# KiCad board Zx50 Bus Probe_RevA.kicad_pcb (continued)
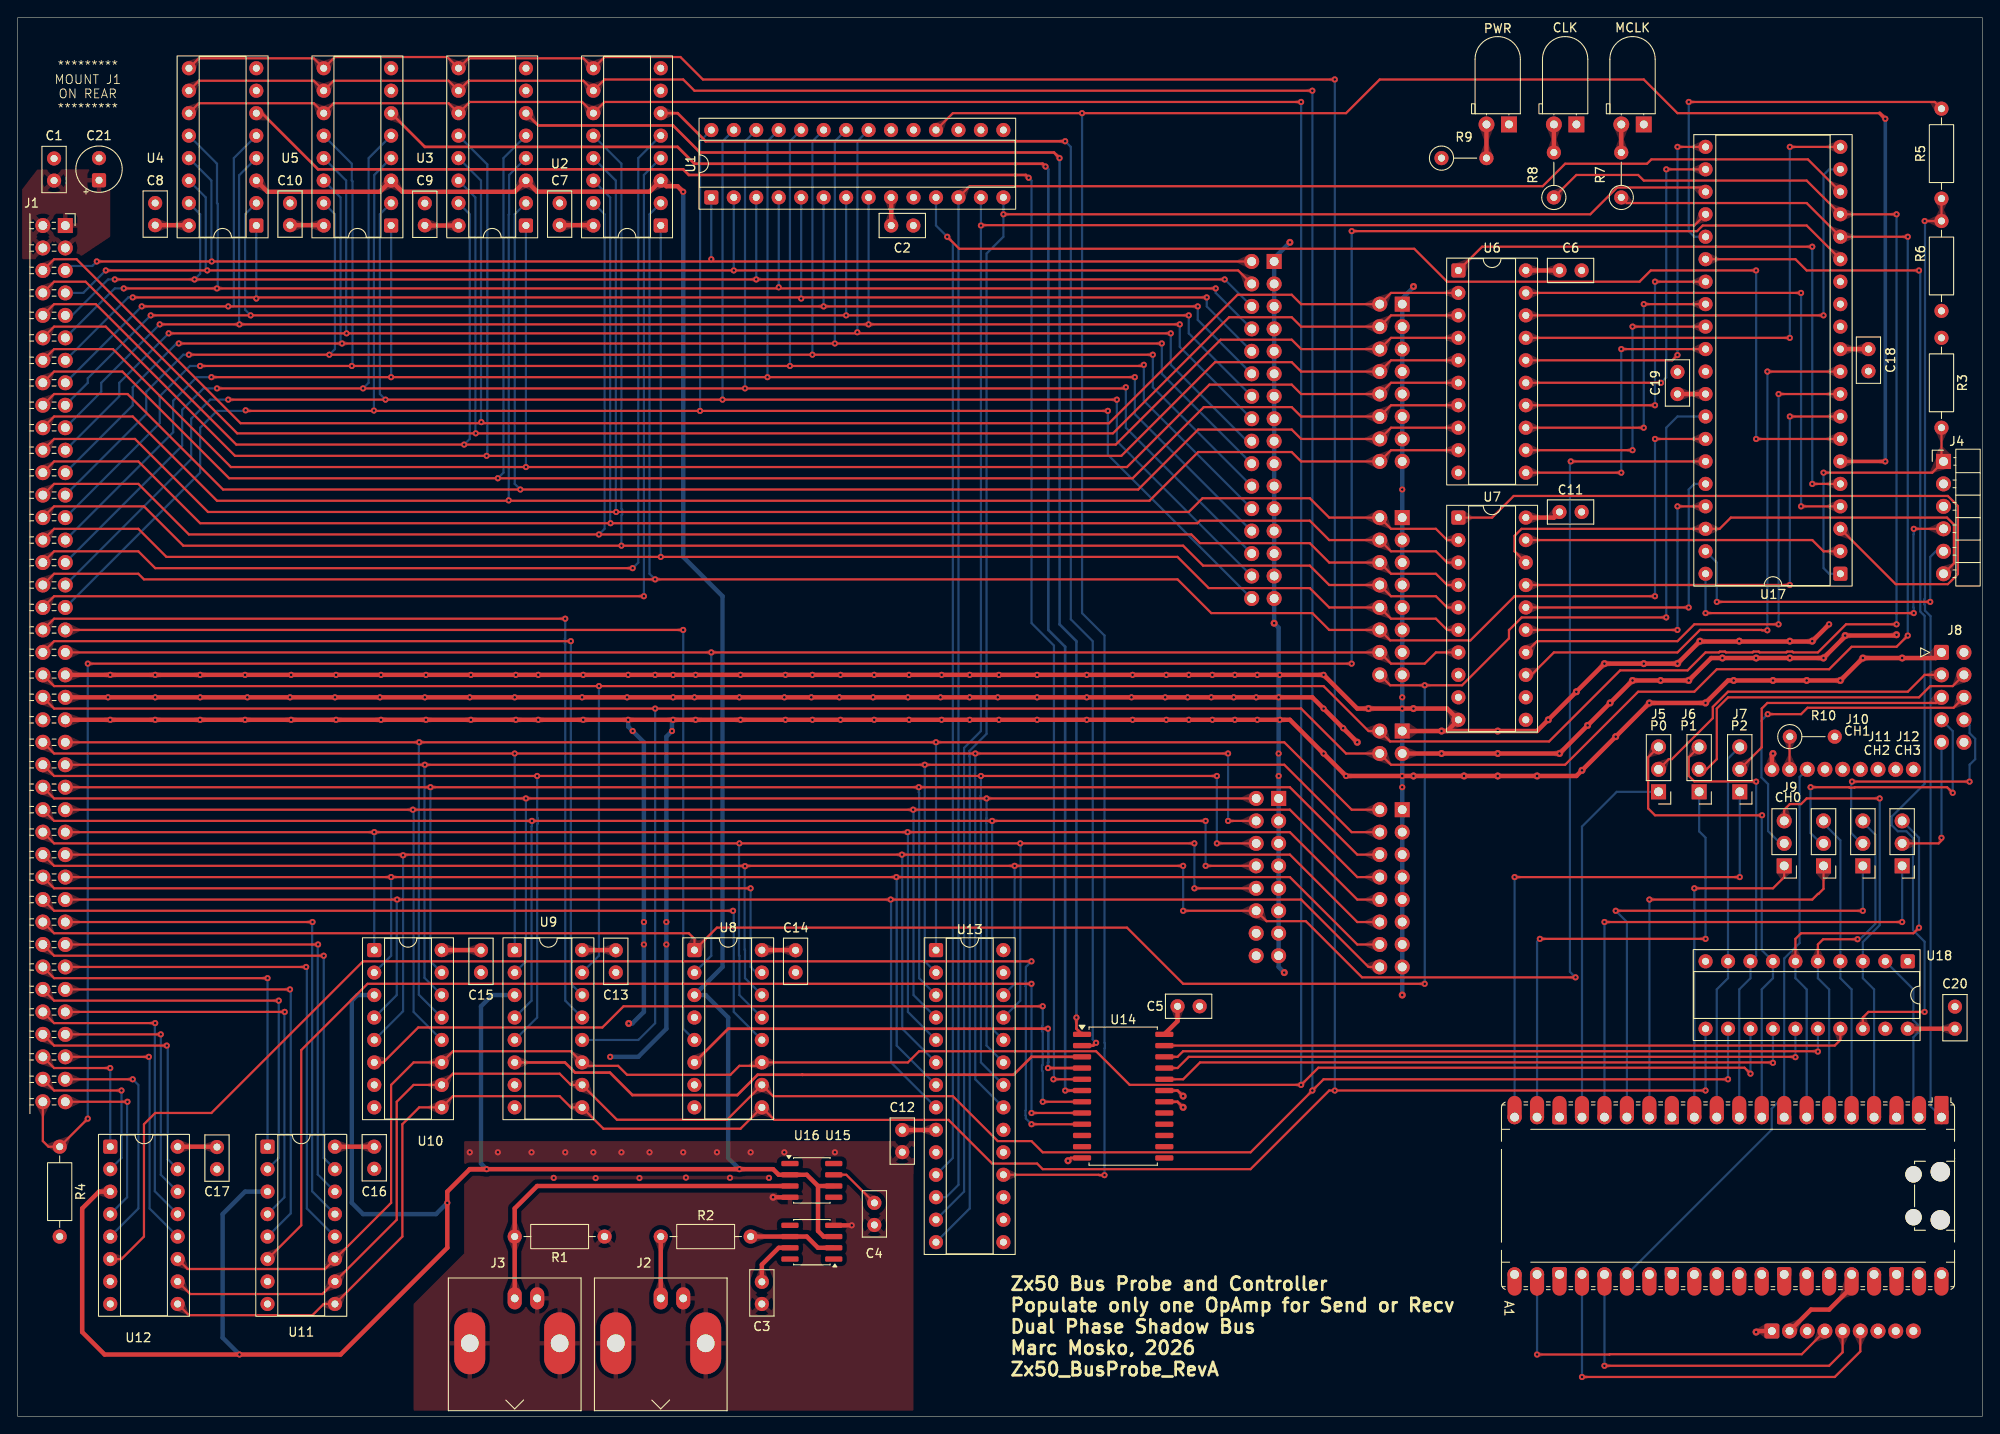
[diagram p0: board, top side]
## Routing (per net, layer and track width the routed paths; a pad name or vN(x,y) marks a point on that pad's centre or on a via; arc(x,y) is an arc through that point) (continued)
/~RESET~: length 195.5
  Top w0.25: J1.39 v1(78.41,86.36) J17.7b 155.24,85.09 159.05,85.09 160.32,86.36 U7.7
  Bottom w0.25: v1(78.41,86.36) 78.41,52.07 U8.2
/~RFSH~: length 118.2
  Top w0.25: v1(69.52,95.88) 15.54,95.88 13.64,97.79 4.11,97.79 J1.32
  Bottom w0.25: v1(69.52,95.88) 70.15,96.52 70.15,142.24 U2.5
/~SH_BUSY~: length 286.5
  Top w0.25: v1(131.75,62.23) v1(112.7,62.23) 82.26,62.23 v1(82.22,62.19) 82.18,62.23 4.11,62.23 J1.58 ; v1(175.56,107.95) U17.35 ; v1(131.75,57.15) J20.6b 141.18,55.97 145.62,55.97 151.97,49.62 v1(176.1,49.62)
  Bottom w0.25: v1(176.1,49.62) 175.47,50.26 175.47,107.86 v1(175.56,107.95) ; U13.26 112.7,48.89 v1(112.7,62.23) ; v1(82.22,62.19) 82.22,62.23 82.18,62.19 82.18,52.75 82.22,52.7 82.22,49.53 U8.14 ; v1(131.75,57.15) v1(131.75,62.23)
/~SH_DONE~: length 184
  Top w0.25: J20.5b v1(133.02,59.69) ; J1.56 4.11,64.77 v1(133.02,64.77)
  Bottom w0.25: v1(133.02,59.69) v1(133.02,64.77) ; U8.13 81.58,47.62 81.58,52.07 81.54,52.11 81.54,64.73 v1(81.58,64.77) ; v1(113.33,64.77) 113.37,64.73 113.37,58.14 113.33,58.1 113.33,46.99 U13.25
/~SH_EN~: length 188.6
  Top w0.25: J20.1b v1(109.52,69.85) v1(57.45,69.85) 4.11,69.85 J1.52
  Bottom w0.25: v1(109.52,69.85) 109.52,67.63 109.48,67.59 109.48,67.03 109.52,66.99 109.52,41.91 U13.23 ; v1(57.45,69.85) 57.45,51.43 U9.2
/~SH_INC~: length 212.3
  Top w0.25: J1.50 4.11,72.39 v1(135.56,72.39) ; J20.3b v1(135.56,64.77)
  Bottom w0.25: v1(108.89,72.39) 108.89,70.17 108.85,70.13 108.85,69.57 108.89,69.53 108.89,40 111.43,37.46 ; v1(135.56,64.77) v1(135.56,72.39) ; v1(58.72,72.39) 58.72,67.67 58.8,67.59 58.8,67.03 58.72,66.95 58.72,45.08 56.18,42.54
/~SH_STB~: length 208.9
  Top w0.25: v1(136.83,74.93) v1(108.25,74.93) 4.11,74.93 J1.48 ; J20.2b v1(136.83,67.31)
  Bottom w0.25: v1(108.25,74.93) 108.25,72.71 108.21,72.67 108.21,72.11 108.25,72.07 108.25,38.1 U13.21 ; U9.1 v1(56.18,74.93) ; v1(136.83,67.31) v1(136.83,74.93)
/~WAIT~: length 254.8
  Top w0.25: v1(185.09,92.71) 169.21,92.71 164.23,87.72 155.15,87.72 J17.6b 148.26,88.9 146.35,90.8 134.92,90.8 131.11,94.61 v1(72.06,94.61) 14.27,94.61 13.64,95.25 4.11,95.25 J1.34 ; v1(185.09,110.49) U17.34
  Bottom w0.25: v1(72.06,94.61) 71.42,95.25 71.42,135.89 U2.2 ; v1(185.09,92.71) v1(185.09,110.49)
/~WR~: length 205.1
  Top w0.25: J1.24 4.11,107.95 13.64,107.95 20.62,100.96 133.37,100.96 133.65,101.25 146.07,101.25 148.26,99.06 J17.2b 155.24,97.79 160.32,97.79 161.59,96.52 U7.3
  Bottom w0.25: v1(67.02,100.96) 66.98,100.96 66.98,137.79 U2.14
Net-(A1-GPIO0): length 106.6
  Top w0.25: R5.1 R6.2 v1(215.57,135.13)
  Bottom w0.25: v1(215.57,135.13) 215.61,135.09 215.61,92.44 215.53,92.36 215.53,91.79 215.61,91.71 215.61,91.09 216.24,90.45 216.24,35.05 A1.1
Net-(A1-GPIO1): length 19.8
  Bottom w0.25: U18.2 214.3,48.26 214.3,44.77 214.79,44.28 214.79,43.35 214.3,42.86 214.3,34.29 214.93,33.66
Net-(A1-GPIO2): length 50.1
  Top w0.25: v1(210.49,69.85) 202.23,69.85 201.6,69.21 200.33,69.21 199.69,68.58 J9.3
  Bottom w0.25: 209.85,33.66 209.85,48.26 208.58,49.53 U18.3 208.58,53.62 210.49,55.53 v1(210.49,69.85)
Net-(A1-GPIO3): length 35.1
  Bottom w0.25: 203.85,67.31 206.04,65.11 U18.4 206.04,49.53 207.31,48.26 207.31,33.66
Net-(A1-GPIO4): length 40
  Top w0.25: v1(207.99,53.94) 204.1,53.93 203.5,53.34 U18.5
  Bottom w0.25: 204.77,33.66 204.77,48.26 203.5,49.53 U18.5 ; 208.44,67.31 210,65.75 210,55.67 208.26,53.94 v1(207.99,53.94)
Net-(A1-GPIO5): length 48.2
  Top w0.25: U18.6 200.96,53.97 201.6,54.61 214.3,54.61 v1(214.93,55.24)
  Bottom w0.25: U18.6 200.96,49.53 202.23,48.26 202.23,33.66 ; v1(214.93,55.24) 214.93,65.41 J12.3
Net-(A1-GPIO6): length 56
  Top w0.25: 197.15,67.94 185.09,67.94 184.31,68.72 184.31,74.5 J5.3
  Bottom w0.25: 197.15,33.66 197.15,48.26 198.42,49.53 U18.7 197.15,52.7 197.15,67.91 v1(197.19,67.94)
Net-(A1-GPIO7): length 50.5
  Top w0.25: v1(196.52,71.75) 196.5,71.78 189.53,71.78 188.9,72.41 188.9,74.5 J6.3
  Bottom w0.25: 194.61,33.66 194.61,48.26 195.88,49.53 U18.8 196.52,52.07 v1(196.52,71.75)
Net-(A1-GPIO8): length 43.1
  Bottom w0.25: J7.3 193.34,74.35 U18.9 193.34,49.53 192.07,48.26 192.07,33.66
Net-(A1-GPIO9): length 37.4
  Top w0.25: 199.69,61.79 199.69,60.96 198.42,59.69 v1(189.53,59.69)
  Bottom w0.25: v1(189.53,59.69) A1.12
Net-(A1-GPIO10): length 47.1
  Top w0.25: v1(184.45,58.42) 202.87,58.42 203.5,59.05 203.56,59.05 204.14,59.63 204.14,61.94
  Bottom w0.25: v1(184.45,58.42) A1.14
Net-(A1-GPIO11): length 56.7
  Top w0.25: v1(180.64,57.15) v1(208.58,57.15)
  Bottom w0.25: v1(208.58,57.15) 208.58,62.08 ; A1.15 181.91,55.88 v1(180.64,57.15)
Net-(A1-GPIO12): length 62.1
  Top w0.25: v1(213.03,55.88) v1(179.37,55.88)
  Bottom w0.25: v1(179.37,55.88) A1.16 ; J12.1 v1(213.03,55.88)
Net-(A1-GPIO13): length 43.1
  Bottom w0.25: A1.17 176.83,66.67 180.76,70.6 J5.1
Net-(A1-GPIO14): length 55.9
  Top w0.25: v1(190.8,53.97) v1(172.07,53.97)
  Bottom w0.25: J6.1 190.08,66.13 190.8,65.41 v1(190.8,53.97) ; A1.19 171.75,53.66 v1(172.07,53.97)
Net-(A1-GPIO15): length 62.2
  Top w0.25: v1(169.21,60.96) v1(194.67,60.96)
  Bottom w0.25: v1(169.21,60.96) A1.20 ; J7.1 v1(194.67,60.96)
Net-(A1-GPIO20): length 65.5
  Bottom w0.25: A1.26 198.28,32.41 198.28,34.78 199.69,36.19 199.69,51.76 201.43,53.49 201.43,72.27 LCD1.16
Net-(D1-A): length 3.2
  Top w0.5: R7.2 181.27,146.04
Net-(D2-A): length 2.5
  Top w0.5: 173.66,143.51 D2.2
Net-(D3-A): length 3.8
  Top w0.5: R9.2 166.03,146.04
Net-(J2-In): length 7
  Top w0.5: R2.1 J2.1
Net-(J3-In): length 48.4
  Top w0.25: 55.94,14.36 56.18,14.6 R1.2
  Top w0.5: J3.1 R1.2 56.18,23.5 58.72,26.03 U16.3
Net-(J5-Pin_2): length 37.2
  Top w0.25: J5.2 186.64,74.29 186.99,74.29 191.62,78.92 191.62,80.2 193.34,81.91 213.66,81.91 215.57,83.82 J8.3
Net-(J6-Pin_2): length 37.7
  Top w0.25: J8.4 218.74,82.55 216.2,82.55 214.93,81.28 193.34,81.28 192.07,80.01 192.07,74.29 190.92,73.14 J6.2
Net-(J7-Pin_2): length 28.7
  Top w0.25: J8.5 216.84,80.64 197.79,80.64 197.15,80.01 197.15,75.62 J7.2
Net-(J8-Pin_6): length 38.8
  Top w0.25: v1(197.83,79.38) 201.6,79.38 202.33,80.1 218.84,80.1 J8.6
  Bottom w0.25: v1(197.83,79.38) 197.12,78.67 197.12,72.22 197.87,71.47 197.87,66.16 199.26,64.77
Net-(J10-Pin_2): length 32
  Top w0.25: v1(202.67,71.12) 207.03,71.12 207.07,71.08 207.63,71.08 207.67,71.12 218.11,71.12 v1(218.74,70.48)
  Bottom w0.25: 203.85,64.77 202.67,65.95 v1(202.67,71.12) ; v1(218.74,70.48) 218.74,77.47 J8.7
Net-(J11-Pin_2): length 28.6
  Top w0.25: v1(220.65,71.75) v1(207.35,71.75)
  Bottom w0.25: v1(207.35,71.75) 207.26,71.66 207.26,65.95 208.44,64.77 ; v1(220.65,71.75) 220.65,73.66 221.28,74.29 221.28,76.59 220.65,77.23 220.65,78.1 J8.8
Net-(J12-Pin_2): length 15.4
  Top w0.25: J12.2 217.16,64.77 217.47,65.09
  Bottom w0.25: v1(217.47,65.41) J8.9
Net-(U15--): length 9.9
  Top w0.5: R2.2 U15.6 89.2,20.32 90.47,19.05 U15.2

## Copper pours and planes (outline as drawn; the poured copper is in the pictures)
+5V on Top: 0.3,130.81 6.65,130.81 10.46,133.35 10.46,139.7 9.19,140.95 9.19,140.99 2.21,140.95 0.3,138.45
+5V on +5: 0.3,158.11 0.3,0.63 222.1,0.63 222.1,158.11
GND on Top: 44.75,0.63 101.27,0.63 101.27,27.11 101.37,31.11 50.47,31.11 50.47,18.41 44.75,12.7
GND on GND: 0.3,158.11 0.3,0.63 222.3,0.63 222.3,158.11

Small or netless copper shapes (teardrops, artwork), in the pictures only: 854 on Top, 557 on Bottom

## Text on the board
B.Silkscreen: RW | DONE | BUSY | INC | 0 | 3 | 1 | 2 | 4 | 5 | 6 | 7 | 8 | 9 | A | B | C | D | E | F | EN | STB | A8 | Z80 Address | Shadow Control | MREQ | M1 | RESET | RD | WR | IORQ | WAIT | INT | CLK | MCLK | Z80 Data | Z80 Control | Shadow Data
F.Silkscreen: ********* / MOUNT J1 / ON REAR / ********* | Zx50 Bus Probe and Controller / Populate only one OpAmp for Send or Recv / Dual Phase Shadow Bus / Marc Mosko, 2026 / Zx50_BusProbe_RevA
